# KiCad board Latest-Full-Backplane.kicad_pcb (continued)
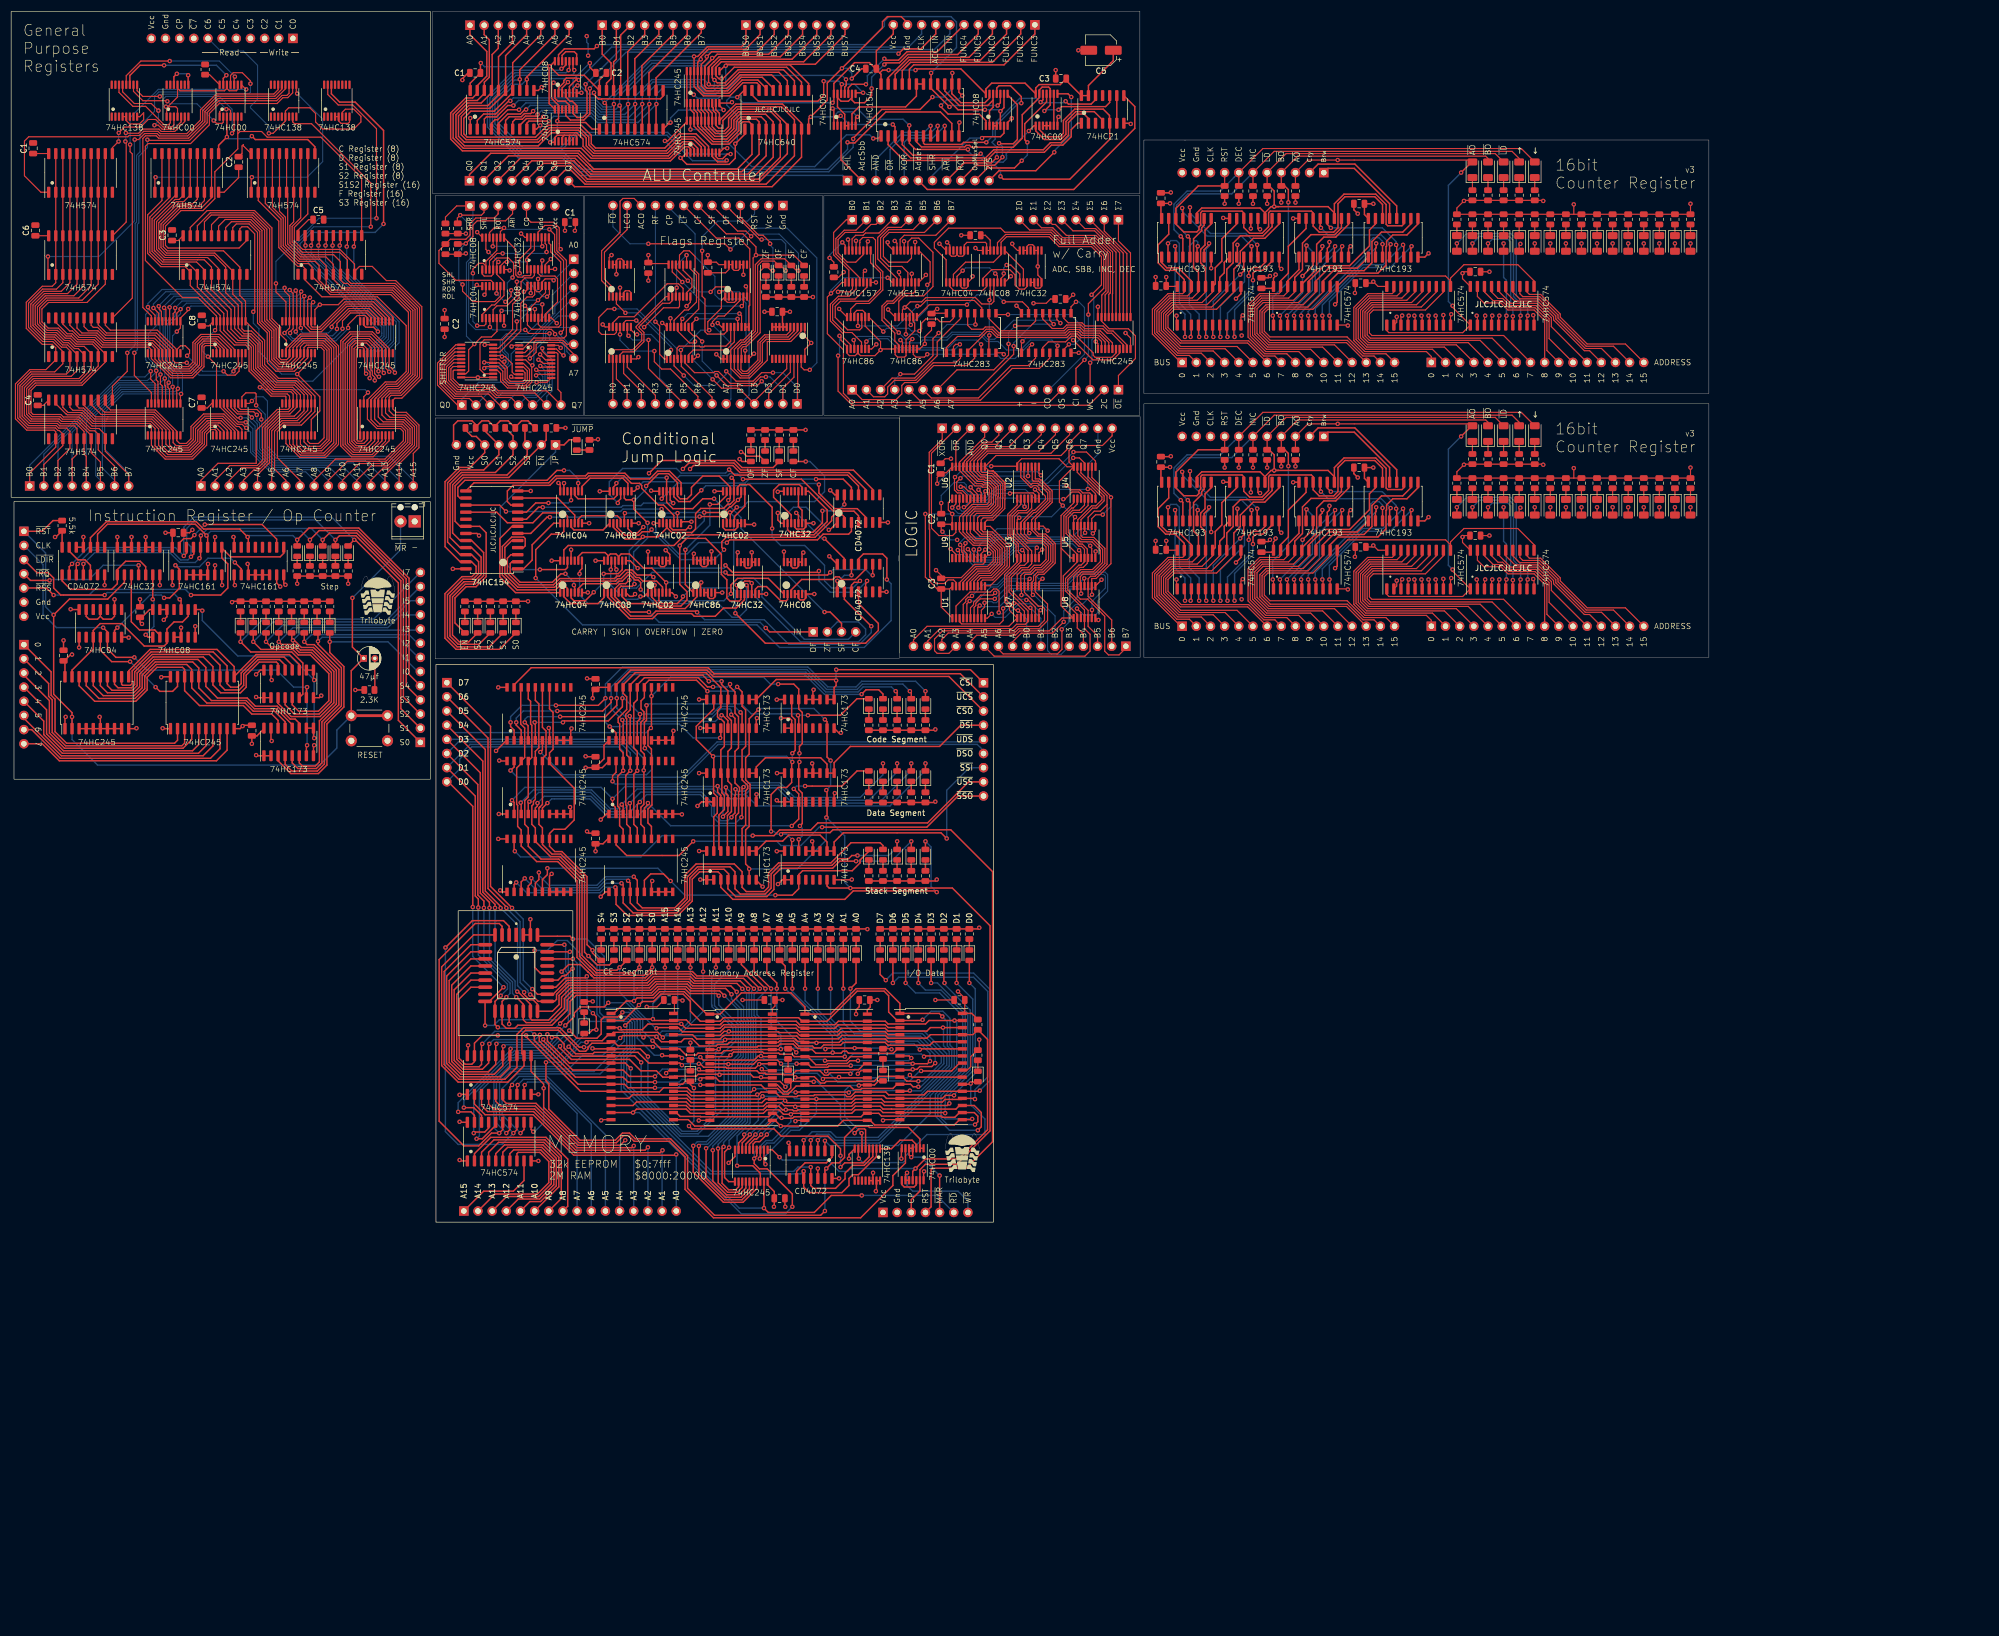
[diagram p0: board, top side]
## Routing (per net, layer and track width the routed paths; a pad name or vN(x,y) marks a point on that pad's centre or on a via; arc(x,y) is an arc through that point) (continued)
  In1.Cu w0.25: 67.15,-63.38 68.58,-61.95 68.58,-60.02
  Bottom w0.2: JC.12 194.95,137.71 193.14,135.89 v1(193.14,131.47) 193.05,131.38 v1(183.66,131.38) ; v1(166.84,128.94) 166.84,130.32 169.14,132.62 170.91,132.62 171.34,132.19 171.34,131.49 172.39,130.44 174.16,130.44 174.77,131.05 v1(174.77,131.08) ; v1(184.66,109.74) 184.24,109.74 183.11,110.87 180.74,110.87 178.31,108.44 176.51,108.44 v1(175.89,109.07)
  Bottom w0.25: v1(149.02,206.9) 149.92,206.9 150.8,206.03 v1(150.8,205.06) ; v1(118.28,197.18) 118.28,198.01 119.7,199.42 v1(127.8,199.42) ; v1(97.3,204.33) 99.12,202.52 v1(102.28,202.52) 101.86,202.52 100.8,203.57 100.8,204.87 103.78,207.85 v1(103.81,207.85) ; v1(151.81,198.2) 150.91,199.1 148.35,199.1 147.45,198.2 v1(143.43,198.2) ; v1(94.92,196.67) 94.92,195.4 v1(96.69,193.63) 97.96,194.9 v1(97.96,197.44)
  vias: v1(41.53,88.95)
VCC: length 708.9
  Top w0.2: U37.14 117.75,171.88 114.49,171.88 C1#10.1 v1(114.3,173.41) ; C4#2.1 244.09,121.08 v1(244.35,121.34) 245.2,120.48 U6#4.20 ; U1#5.14 84.51,176.61 v1(83.59,177.52) ; 142.37,160.52 142.37,158.8 v1(143.51,157.66) 142.37,156.52 142.37,154.8 ; U4#7.14 92.15,176.59 v1(91.47,177.27) ; R24#3.1 225.96,136.68 ; U2#4.13 160.2,175.85 v1(160.16,175.89) ; v1(120.42,39.75) 120.33,39.84 C6#2.1 118.98,37.6 U4.32 ; v1(148.32,166.82) 150.38,166.82 150.92,167.35 U1.3 ; U6#5.20 245.2,167.78 v1(244.35,168.64) 244.09,168.39 C4#3.1 ; U5#9.1 v1(83.72,151.48) U5#9.20 ; v1(194.56,157.91) 194.94,157.53 194.94,156.57 ; U6#6.1 168.11,129.03 168.11,127.69 v1(168.81,126.99) U9#5.20 168.47,125.14 C2#8.1 166.84,124.04 v1(167.06,123.82) ; U34.14 180.53,174.24 179.58,175.18 v1(179.58,175.44) ; v1(81.56,173.71) 81.43,173.57 R13#6.2 80.1,173.56 R10#3.2 ; v1(149.1,175.69) 149.62,175.17 U1.16 ; C1#9.1 260.6,123.11 v1(260.35,122.86) 260.35,121.88 261.75,120.48 ; U7#8.32 171.05,37.86 C5#3.1 171.05,40.16 v1(169.85,41.36) ; v1(107.7,173.41) 107.27,172.98 U35.14 ; v1(166.12,163.75) 165.93,163.75 C4#7.1 165.16,162.99 U5#6.16 ; v1(116.79,161.24) 116.89,161.24 U38.16 ; U1#3.20 168.35,113.54 C3.1 ; v1(163.99,126.99) 163.99,115.67 166.11,113.54 C3.1 ; U2#4.3 159.55,169.56 159.26,169.85 v1(159.26,170.36) ; U6#7.16 181.23,163.43 v1(180.34,164.32) ; v1(148.53,163.75) 148.53,163.71 U3#7.14 ; v1(138.35,39.84) C4#4.1 137.02,38.76 136.54,38.28 U5#3.32 ; C1.1 6.71,191.62 ; 224.54,167.62 224.79,167.37 ; U8#3.14 190.59,115.74 191.86,117.02 193.96,117.02 195.39,118.44 195.39,120.48 193.88,121.99 191.87,121.99 190.59,123.27 U5#8.14 190.59,125.97 190.84,126.22 v1(190.84,126.44) ; 36.19,161.42 35.48,160.71 C8#2.1 ; v1(175.81,135.54) 180.37,135.54 U2#7.14 180.46,136.11 181.25,136.89 187.96,136.89 189.4,135.45 U4#6.14 ; C1#3.1 166.11,133.54 v1(166.11,132.42) ; C2#6.1 186.44,165.53 185.67,164.77 v1(183.39,164.77) ; U6#6.20 167.74,134.38 166.95,134.38 ; v1(188.64,128.49) 188.04,129.09 188.04,132.88 U4#6.14 ; v1(126.75,161.21) 127.44,160.52 U1#6.16 ; U2#4.10 162.15,175.75 v1(162.16,175.75) ; v1(153.16,170.61) 152.87,170.32 U1.6 ; v1(91.98,166.83) 92.21,166.83 92.61,167.23 U3#3.14 ; 30.83,176.87 29.98,176.02 C3#4.1 ; U4#6.14 189.76,136.3 189.76,138.34 190.69,139.27 195.76,139.27 197.49,141 JC.13 ; U7.14 180.46,116.09 180.51,116.09 181.38,116.97 182.66,116.97 183.49,117.79 184.61,117.79 185.64,118.82 185.64,121.07 184.91,121.79 182.24,121.79 180.46,123.57 U3#9.14 180.46,125.93 v1(180.84,126.31) ; 194.94,162.3 v1(194.94,164.14) ; v1(83.53,168.06) 83.76,167.84 U2#3.14 ; C1#5.1 v1(170.43,176.96) ; C4#5.1 5.77,146.45 U7#7.20 ; U21.14 35.59,205.77 R1.2 ; C3#2.1 147.57,172.14 v1(146.81,172.9) ; v1(157.31,163.65) 157.31,163.57 U4#10.14 ; C2#10.1 v1(135.13,163.25) ; C3.1 166.84,110.3 U1#3.1 ; v1(89.77,157.01) 89.98,157.23 U6#9.1 ; C7#3.1 35.18,146 35.98,146.8 36.19,146.8 ; 224.54,120.32 224.79,120.07 ; v1(153.69,175.86) 153.52,175.69 U1.10 ; U2#4.16 157.23,175.26 v1(157.23,175.69) ; R28#2.2 222.76,184.32 ; 62.61,141.08 62.61,146.8 ; v1(161.55,170.06) 161.5,170.01 U2#4.6 ; v1(207.2,122.16) C9#2.1 207.29,120.48 U1#4.20 ; v1(101.12,177.77) 101.21,177.86 C1#6.2 ; v1(106.11,160.96) 106.55,160.52 U36.14 ; U33.14 173.41,174.24 v1(172.97,174.68) ; C2.1 41.42,191.67 41.42,192.98 41.66,193.22 41.66,193 43.05,191.6 ; v1(151.55,175.97) 151.57,175.96 151.57,174.24 ; v1(207.2,169.47) C9.1 207.29,167.78 U1#11.20 ; C2#5.2 77.76,158.73 v1(77.75,158.72) ; C6.1 6.72,176.88 ; 261.75,167.78 260.35,169.18 v1(260.35,170.16) 260.6,170.42 C1#2.1 ; 51.43,176.9 51.43,177.85 53.35,179.77 C5#2.1 ; R12#5.2 80.1,177.26 R11#2.2 81.55,177.27 v1(81.56,177.27) ; U32.14 v1(166.52,175.44) ; U39.14 126.93,171.7 126.49,172.14 C3#6.1 v1(124.97,173.41) ; U6#9.20 98.13,157.23 v1(98.58,156.78) ; R24.1 225.96,183.98 ; R28.2 222.76,137.01
  Top w0.25: v1(207.88,182.69) 207.87,182.68 C2#9.1 206.25,180.1 U2#5.16 ; 28.57,97.79 27,97.79 v1(26.92,97.71) ; v1(162.23,206.58) 162.44,206.8 170.37,206.8 U9#3.14 174.85,203.2 175.88,204.24 181.88,204.24 U7#2.14 183.79,203.38 184.39,203.98 188.2,203.98 C3#3.1 189.27,204.71 U10#4.14 U10#4.13 193.25,203.82 197.3,207.87 197.3,207.87 197.7,208.27 C5.1 ; v1(23.47,107.28) 23.11,107.63 C2#2.1 23.43,108.45 24.83,109.84 U5#7.14 ; U7#8.32 172.31,37.43 173.41,36.33 ; U5.16 v1(229.96,132.67) ; U14#2.20 87.63,82.69 v1(87.55,82.77) ; 156.04,204.08 156.04,205.84 155.81,206.07 ; v1(226.82,122.61) 226.82,122.35 226.44,121.97 226.44,120.48 226.09,120.13 C7.1 ; U7#6.16 242.76,180.68 242.76,182.36 ; U1#7.14 10.73,109.84 v1(10.67,109.91) ; R1#4.1 v1(227.84,182.83) ; U7#3.16 242.76,133.37 242.76,135.05 ; C3#5.1 v1(244.35,135.31) ; v1(226.82,169.91) 226.82,169.66 226.44,169.28 226.44,167.78 226.09,167.44 C7#2.1 ; v1(9.78,90.6) 9.65,90.47 U6#10.1 ; v1(96.59,207.28) 96.64,207.28 U1#2.14 ; v1(96.59,207.28) 98.22,205.65 102.81,205.65 U4#5.20 105.52,204.81 C2#4.1 ; v1(96.59,207.28) 96.5,207.18 96.5,200.58 U12.14 ; U4#3.14 v1(19.05,122.86) ; J5.11 158.24,213.06 155.2,210.02 155.2,206.68 ; 146.67,119.49 v1(146.76,119.4) U11#2.14 ; v1(155.37,39.84) C7#4.1 154.1,39.77 154.1,38.57 153.58,38.05 U6#8.32 ; U15#2.20 106.05,81.5 v1(103.05,81.5) ; U22.1 87.99,59.22 v1(87.71,59.5) ; U3#6.1 28.89,114.28 v1(28.96,114.22) ; U20.16 v1(123.4,66.55) ; v1(137.34,93.69) 137.37,93.72 138.73,93.72 ; U15#2.1 106.78,73.19 v1(105.77,72.18) ; U8#7.14 122.37,119.75 v1(122.46,119.85) ; 138.73,80.52 v1(137.37,80.52) ; U5#10.20 U5#10.1 U11#4.20 121.2,197.31 117.78,193.88 v1(117.27,193.88) ; v1(130.25,201.72) 131.46,202.93 U6.20 ; v1(10.92,101.78) 10.67,101.78 9.54,100.65 C4#6.1 9.65,100.4 U6#10.20 ; v1(207.88,135.39) 207.87,135.37 C2#7.1 206.25,132.8 U2#6.16 ; v1(43.94,98.22) 44.72,99 U9#2.16 ; U23.1 106.62,59.22 v1(105.76,58.35) ; v1(99.43,142.42) R15#3.2 ; v1(27.69,123.62) C1#4.1 28.89,123.49 U3#6.16 ; R24#3.1 v1(225.3,135.31) ; U2#11.14 R1#5.2 8.02,122.86 v1(7.87,122.86) ; U3#6.7 36.51,117.72 v1(36.58,117.78) ; U18.20 v1(87.38,95.9) ; v1(15.88,90.6) 16,90.47 U6#10.6 ; U4#4.14 v1(96.95,118.61) ; v1(40.13,114.22) 40,114.35 U10.1 ; 124.77,80.52 v1(123.4,80.52) ; v1(86.98,84.5) 88.87,86.4 U18.1 ; v1(27.18,88.57) 27.26,88.49 28.57,88.49 ; R27.2 v1(220.22,182.61) ; v1(137.34,66.51) 137.59,66.51 137.63,66.55 U21#2.16 ; v1(114.8,131.16) 114.91,131.06 U2#8.14 ; 218.57,179.98 217.52,179.98 v1(217.42,180.07) ; U1#8.14 98.49,132.23 v1(98.17,132.55) ; U5#5.16 v1(229.96,179.98) ; v1(104.32,93.94) 104.32,95.02 C2#3.1 105.19,95.9 U19.20 ; v1(136.83,2.76) 136.9,2.82 C8.1 136.9,5.48 135.69,6.69 U8#6.20 ; v1(157.4,206.58) 156.32,206.58 155.81,206.07 ; R25#3.1 v1(230.38,182.83) ; v1(93.14,54.32) U11.31 U11.32 ; U10.16 40,122.73 v1(39.88,122.86) ; U3#5.16 U3#5.15 155.22,5.65 v1(155.12,5.55) ; 124.77,93.72 v1(123.4,93.72) ; v1(163.76,9.1) 163.67,9.02 163.67,7.6 ; v1(43.18,85.78) C3#8.1 44.09,87.19 45.34,88.44 ; v1(137.52,130.97) 137.6,131.06 U12#4.14 ; U3#10.14 v1(105.59,131.06) ; R28#2.2 v1(222.76,182.61) ; U13#2.24 v1(79.23,117.15) ; v1(81.97,31.71) 81.97,29.97 U9#4.20 ; v1(48.26,113.97) 47.62,114.61 47.62,116.07 ; 218.57,132.67 217.52,132.67 v1(217.42,132.77) ; R27#3.2 v1(220.22,135.31) ; v1(146.92,131.24) 147.75,130.42 148.19,130.42 ; U7#4.14 130.24,120 v1(130.34,120.1) ; R1#6.1 v1(227.84,135.52) ; v1(36.58,122.86) 36.51,122.8 U3#6.10 ; U11#4.1 120.25,190.83 v1(120.06,190.83) 121.22,189.67 128.8,189.67 129.9,190.77 v1(129.9,193.37) 131.62,195.09 U6.1 ; U5#4.14 v1(126.16,131.06) ; U2#9.20 82.34,204.23 C1#8.1 84.18,207.78 v1(84.25,207.85) ; v1(104.83,66.51) C3#9.1 106.16,67.85 107.04,68.72 U23.20 ; U2#2.14 v1(148.51,7.84) ; R24.1 v1(225.3,182.61) ; U6#3.14 v1(104.83,118.61) ; C3#7.1 v1(244.35,182.61) ; U14#2.1 v1(87.48,73.19) ; v1(80.44,18) 80.54,17.9 U10#3.20 ; C1#7.1 106.35,83.09 106.35,85.51 U19.1 ; U9.14 v1(114.24,120.24) ; U14.14 v1(138.62,120.24) ; v1(147.35,200.72) 147.58,200.95 U8#4.14 147.58,204.2 151.3,207.92 153.96,207.92 155.81,206.07 ; U6#10.9 U6#10.3 ; R28.2 v1(222.76,135.31) ; R25#2.1 v1(230.38,135.52) ; U22.20 v1(87.38,68.72)
  Bottom w0.2: v1(167.06,123.82) 168.54,122.34 v1(169.69,122.34) ; v1(163.99,126.99) v1(168.81,126.99) 169.14,126.67 180.49,126.67 v1(180.84,126.31) 181.02,126.49 186.64,126.49 v1(188.64,128.49) 190.69,126.44 v1(190.84,126.44) ; v1(175.81,135.54) 169.24,135.54 v1(166.11,132.42) ; v1(146.81,172.9) 146.81,173.41 v1(149.1,175.69)
  Bottom w0.25: v1(96.59,207.28) 96.5,207.19 84.91,207.19 v1(84.25,207.85) ; v1(162.23,206.58) v1(157.4,206.58) ; v1(103.25,212.67) 103.25,211.57 103.5,211.32 v1(103.5,209.17) ; v1(129.9,193.37) 130.25,193.72 130.25,198.42 128.35,200.32 128.35,201.12 128.95,201.72 v1(130.25,201.72) 131.25,200.72 v1(147.35,200.72) ; v1(117.27,193.88) 120.06,191.09 v1(120.06,190.83)
(no net): length 2909.8
  Top w0.2: U11#3.3 37.49,141.76 36.73,142.52 35.69,142.52 34.67,141.5 34.67,139.49 32.42,137.24 27.78,137.24 25.81,139.22 25.81,142.32 24.92,143.21 14.62,143.21 12.65,145.18 10.21,145.18 9.98,145.41 9.96,145.41 9.27,146.1 U7#7.18 ; 18.16,162.14 21.74,165.71 21.74,191.55 21.34,191.95 v1(21.34,193.22) ; U6#2.13 15.62,160.9 17.09,159.44 26.09,159.44 29.06,156.46 29.06,154.51 29.46,154.1 v1(31.5,154.1) ; 53.97,176.9 53.97,175.3 v1(53.8,175.12) ; v1(43.43,163.25) 43.69,163.5 43.69,177.22 42.42,178.49 41.4,178.49 41.02,178.11 41.02,176.87 ; v1(38.1,152.58) 38.8,151.88 40.17,151.88 40.89,152.6 40.89,153.11 41.39,153.61 U9#6.9 ; 55.24,176.9 55.24,175.25 v1(55.12,175.12) ; v1(56.39,175.12) 56.51,175.25 56.51,176.9 ; v1(31.56,155.35) 32,155.8 32,156.39 31.24,157.15 30.39,157.15 29.71,156.46 ; U2#10.10 21.95,202.77 23.62,201.09 27.91,201.09 v1(28.01,200.99) ; U20#2.11 29.84,201.75 28.11,200.02 ; U11#3.2 36.84,141.84 36.57,142.12 35.85,142.12 35.07,141.33 35.07,139.33 32.56,136.82 27.63,136.82 25.16,139.3 25.16,142.4 24.8,142.76 14.5,142.76 12.49,144.78 10.05,144.78 9.9,144.92 9.83,144.92 8,146.75 ; 50.59,141.08 50.59,139.44 52.11,137.92 56.07,137.92 57.88,139.73 57.88,156.82 56.24,158.45 52.22,158.45 50.59,156.82 50.59,155.14 49.7,154.25 48.29,154.25 47.54,154.99 47.54,160.13 45.87,161.8 45.87,178.06 43.33,180.59 35.89,180.59 34.67,179.38 34.67,176.87 ; 14.35,146.61 16.12,144.84 25.55,144.84 28.41,141.98 28.41,139.41 28.98,138.84 31.75,138.84 33.07,140.16 33.07,142.25 34.94,144.12 37.83,144.12 40.09,141.86 40.09,141.08 ; U19#2.15 56.79,202.21 58.67,200.33 61.27,200.33 65.53,196.07 v1(65.53,180.01) ; U6#2.14 14.35,160.83 14.73,160.45 15.51,160.45 16.92,159.04 25.83,159.04 28.41,156.46 28.41,154.42 29.43,153.4 31.79,153.4 32.6,154.21 32.6,157.74 34.04,159.18 37.37,159.18 40.09,156.46 40.09,155.81 ; v1(42.16,203.12) 42.13,203.12 U21.8 ; U18#2.3 63.91,140.28 63.26,139.64 62.04,139.64 61.52,140.17 61.52,156.63 62.13,157.25 63.2,157.25 63.91,156.55 63.91,152.9 64.39,152.41 64.39,151.42 v1(64.31,151.34) ; 18.16,147.4 18.16,149.91 20.83,152.58 v1(20.83,155.88) ; U3.14 47.9,203.07 47.12,202.29 36.78,202.29 33.96,199.47 33.96,197.63 31.5,195.18 26.77,195.18 26.34,195.6 23.78,195.6 23.03,194.85 21.17,194.85 20.94,194.63 3.16,194.63 2.39,193.86 2.39,187.63 5.34,184.68 U4#2.1 ; U21.9 40.65,203.13 40.39,202.87 39.12,202.87 38.7,203.29 U21.12 ; U6#2.16 11.81,160.32 12.7,159.44 15.39,159.44 16.73,158.1 25.47,158.1 27.11,156.46 27.11,154.59 29.1,152.6 32.12,152.6 33.39,153.88 33.39,157.41 34.37,158.38 36.87,158.38 38.79,156.46 U9#6.5 ; U11#3.5 38.79,141.98 37.46,143.32 35.36,143.32 33.87,141.83 33.87,139.82 32.08,138.04 28.25,138.04 27.11,139.19 27.11,142.15 25.25,144.01 17.18,144.01 17.17,144.02 14.94,144.02 12.98,145.98 12.19,145.98 11.81,146.36 U7#7.16 ; v1(68.83,152.32) 68.83,152.46 67.81,153.49 67.81,156.65 64.81,159.65 60.74,159.65 59.12,158.02 59.12,139.18 61.05,137.25 64.93,137.25 67.81,140.12 67.81,141.08 ; 8,161.34 10.05,159.3 10.95,159.3 12.01,158.24 14.9,158.24 16.24,156.9 24.72,156.9 25.16,156.46 25.16,154.85 28.6,151.4 32.61,151.4 34.59,153.38 34.59,156.91 34.86,157.18 36.37,157.18 36.84,156.71 U9#6.2 ; U18#2.4 64.56,140.17 63.63,139.24 61.88,139.24 61.12,140.01 61.12,156.94 61.83,157.65 63.76,157.65 64.56,156.86 64.56,152.81 64.79,152.58 64.79,151.91 65.23,151.47 v1(65.23,150.94) ; U7#7.15 13.08,146.44 15.11,144.42 17.34,144.42 17.34,144.41 25.41,144.41 27.76,142.06 27.76,139.5 28.81,138.44 31.92,138.44 33.47,139.99 33.47,141.99 35.19,143.71 37.67,143.71 39.44,141.94 U11#3.6 ; v1(64.52,178.49) 64.52,186.33 53.88,196.97 50.84,196.97 50.5,197.3 U3.7 ; 57.66,176.78 v1(57.66,175.12) ; 53.84,141.08 53.84,143.93 55.37,145.47 55.37,148.01 v1(51.31,152.07) 53.84,154.6 53.84,155.81 ; 65.19,155.8 65.19,152.17 65.77,151.59 v1(65.98,151.59) ; v1(22.16,194.12) 22.86,194.12 23.94,195.2 26.18,195.2 26.6,194.78 31.67,194.78 34.36,197.47 34.36,199.3 36.95,201.89 47.28,201.89 48.55,203.16 U3.13 ; U18#2.7 66.51,140.09 64.46,138.04 61.38,138.04 59.92,139.51 59.92,157.55 61.22,158.85 64.34,158.85 66.51,156.68 U16.7 ; U6#2.15 13.08,160.58 13.82,159.84 15.56,159.84 16.9,158.5 25.72,158.5 27.76,156.46 27.76,154.51 29.26,153 31.95,153 32.99,154.05 32.99,157.58 34.2,158.78 37.17,158.78 39.44,156.51 U9#6.6 ; U18#2.5 65.21,140.06 63.99,138.84 61.71,138.84 60.72,139.84 60.72,157.11 61.66,158.05 64.01,158.05 65.21,156.85 U16.5 ; U20#2.5 30.5,197.3 29.17,195.97 27.1,195.97 26.38,196.7 v1(25.7,196.7) ; 40.66,195.18 41.05,195.57 44.92,195.57 45.94,194.55 55.56,194.55 62.87,187.25 62.87,176.9 ; v1(61.47,174.93) 61.59,175.06 61.59,176.9 ; U8#2.9 29.71,156.46 ; 29.71,156.46 26.23,159.94 17.78,159.94 16.89,160.83 U6#2.12 ; v1(40.13,205.41) 40,205.28 U21.10 ; U2#10.12 20.64,205.57 23.28,208.2 v1(28.45,208.2) ; U21.1 37.4,199.13 37.84,199.57 39.12,199.57 39.35,199.33 U21.4 ; U7#7.13 15.62,146.36 16.74,145.24 25.71,145.24 29.06,141.89 29.06,139.78 29.6,139.24 31.59,139.24 32.67,140.32 32.67,142.46 34.73,144.52 37.99,144.52 40.74,141.77 U11#3.8 ; 59.05,176.9 59.05,175.25 v1(58.93,175.12) ; v1(20.57,195.33) 20.65,195.25 22.86,195.25 23.61,196 26.51,196 26.94,195.58 29.34,195.58 31.14,197.38 U20#2.6 ; U21.6 40.65,192.45 36.54,188.34 36.54,183.53 34.4,181.39 30.47,181.39 27.68,178.6 27.68,175.15 28.15,174.68 40.89,174.68 42.29,176.07 ; U10#5.19 25.16,148.76 22.1,151.82 v1(22.1,155.88) ; U6#2.18 9.27,161.03 10.49,159.82 10.99,159.82 12.17,158.64 15.06,158.64 16.4,157.3 25.11,157.3 25.81,156.6 25.81,154.76 28.77,151.8 32.45,151.8 34.19,153.55 34.19,157.08 34.7,157.58 36.54,157.58 37.49,156.63 U9#6.3 ; 38.48,176.87 38.48,178.36 39.52,179.39 42.84,179.39 44.6,177.64 44.6,161.38 46.34,159.63 46.34,154.5 47.86,152.98 50.44,152.98 52.54,155.08 52.54,156.84 52.95,157.26 53.32,157.26 55.74,157.26 56.64,156.36 56.64,140.39 55.37,139.12 53.34,139.12 52.54,139.92 52.54,141.08 ; U3.12 49.2,203.22 47.47,201.49 37.12,201.49 34.76,199.14 34.76,197.3 31.84,194.38 26.44,194.38 26.01,194.8 24.11,194.8 23.62,194.32 23.62,164.01 25.16,162.47 U8#2.19 ; U1#9.1 25.78,187.25 v1(25.91,187.38) ; v1(19.3,195.33) 20.34,196.36 23.21,196.36 24.58,197.73 25.91,197.73 27.27,196.37 28.81,196.37 29.2,196.76 U20#2.3 ; U18#2.6 65.86,140.01 64.3,138.44 61.55,138.44 60.32,139.67 60.32,157.38 61.38,158.45 64.18,158.45 65.86,156.77 65.86,152.62 v1(65.89,152.59) ; v1(64.01,148.77) 63.26,148.02 U18#2.19 ; U3.9 51.15,202.52 v1(51.31,202.36) ; 39.75,176.87 39.75,178.36 40.39,178.99 42.67,178.99 44.2,177.47 44.2,161.21 45.94,159.47 45.94,154.33 45.97,154.3 45.97,154.1 47.5,152.58 50.8,152.58 53.19,154.97 53.19,156.74 53.3,156.86 55.58,156.86 56.13,156.3 56.13,140.64 55.12,139.62 53.59,139.62 53.19,140.03 53.19,141.08 ; v1(36.58,159.94) 36.84,160.21 36.84,162.47 33.53,165.79 30.73,165.79 24.08,172.44 24.08,192.92 24.57,193.4 32.19,193.4 35.56,196.77 35.56,198.81 37.34,200.58 47.7,200.58 48.75,201.64 49.62,201.64 50.5,202.51 U3.10 ; v1(46.23,195.25) 46.99,195.25 49.2,197.46 49.2,199.24 49.78,199.82 53.59,199.82 54.61,198.81 54.61,197.28 55.88,196.01 61.47,196.01 62.74,197.28 62.74,198.3 61.47,199.57 59.94,199.57 59.39,199.02 U19#2.6 ; U11#3.9 41.39,142.18 40.9,142.67 40.41,142.67 38.16,144.92 34.5,144.92 32.26,142.67 32.26,140.47 31.42,139.64 30.21,139.64 29.71,140.14 29.71,141.81 25.88,145.64 17.81,145.64 16.89,146.56 ; v1(20.49,193.79) 20.64,193.64 20.64,179.34 18.16,176.87 ; U2#10.14 19.34,202.57 21.84,200.08 24.13,200.08 27.43,196.77 28.19,196.77 28.55,197.12 28.55,198.23 ; 18.16,191.6 18.16,192.68 v1(19.27,193.79) ; v1(63.67,152.14) 63.39,152.42 63.39,155.67 U16.2 63.26,156.63 63.04,156.85 62.3,156.85 61.92,156.47 61.92,140.34 62.21,140.04 62.87,140.04 63.26,140.43 U18#2.2 ; U2#10.13 20,202.69 22.1,200.58 25.15,200.58 v1(26.42,199.31) ; 37.21,176.87 37.21,178.61 38.39,179.79 43,179.79 45,177.8 45,161.54 46.74,159.8 46.74,158.64 46.74,154.66 48.03,153.38 50.11,153.38 51.89,155.16 51.89,156.99 52.55,157.66 55.91,157.66 57.04,156.52 57.04,140.22 55.54,138.72 52.67,138.72 51.89,139.5 51.89,141.08 ; v1(66.84,152.27) 66.59,152.52 66.59,155.73 ; U7#7.17 10.54,146.1 11.06,145.58 12.82,145.58 14.78,143.61 17.01,143.61 25.08,143.61 26.46,142.23 26.46,139.27 28.09,137.64 32.25,137.64 34.27,139.66 34.27,141.66 35.52,142.92 37.09,142.92 38.14,141.87 U11#3.4 ; U21.11 39.35,205.62 39.84,206.11 41.46,206.11 42.93,204.65 v1(42.93,204.14) ; 49.37,155.9 49.37,158.11 48.34,159.15 48.34,160.46 46.77,162.03 46.77,178.28 43.66,181.39 35.16,181.39 32.13,178.36 32.13,176.87 ; U21.5 40,195.63 v1(39.62,195.25) ; v1(39.88,152.58) 39.88,152.66 40.74,153.52 U9#6.8 ; v1(35.29,155.2) 36.84,153.65 U11#3.19 ; U2#10.9 22.59,202.88 23.62,201.85 v1(26.67,201.85) ; U6#2.17 10.54,160.83 12.34,159.04 15.23,159.04 16.57,157.7 25.27,157.7 26.46,156.51 26.46,154.68 28.93,152.2 32.28,152.2 33.79,153.72 33.79,157.24 34.53,157.98 36.7,157.98 38.14,156.54 U9#6.4 ; 49.29,161.54 49.29,165.01 47.5,166.8 v1(47.5,168.33) ; 49.29,155.81 49.29,156.65 51.89,159.25 56.57,159.25 58.72,157.1 58.72,139.44 56.4,137.12 51.78,137.12 49.29,139.61 49.29,141.08 ; v1(43.18,187.38) 43.05,187.25 43.05,184.68 ; 38.7,203.3 38.27,202.87 30.28,202.87 29.84,203.3 ; 49.94,141.08 49.94,139.53 51.95,137.52 56.23,137.52 58.32,139.61 58.32,156.94 56.41,158.85 52.05,158.85 49.94,156.74 49.94,155.16 49.43,154.65 48.45,154.65 47.94,155.16 47.94,160.3 46.37,161.86 46.37,178.12 43.5,180.99 35.72,180.99 33.4,178.67 33.4,176.87 ; v1(52.8,175.12) 52.7,175.21 52.7,176.9 ; v1(60.2,174.93) 60.32,175.06 60.32,176.9 ; 35.94,176.87 35.94,178.87 37.27,180.19 43.17,180.19 45.47,177.89 45.47,161.64 47.14,159.96 47.14,154.83 48.12,153.85 50.01,153.85 51.24,155.07 51.24,156.91 52.38,158.05 56.07,158.05 57.46,156.67 57.46,140.07 55.7,138.32 52.28,138.32 51.24,139.36 51.24,141.08 ; U18#2.8 67.16,140.04 64.77,137.65 61.22,137.65 59.52,139.34 59.52,157.86 60.91,159.25 64.65,159.25 67.16,156.74 67.16,153.15 v1(67.82,152.49) ; v1(44.62,149.7) 45.04,149.7 46.63,148.11 49.17,148.11 49.29,148 49.29,146.8 ; U20#2.1 27.89,199.89 v1(27.77,200.02) 29.52,200.02 29.84,199.69 U20#2.4 ; U21.2 38.05,197.23 37.85,197.03 36.83,197.03 v1(36.32,197.54) ; 6.6,170.07 v1(6.6,173.15) ; v1(24.44,194.1) 24.57,193.98 32,193.98 35.16,197.14 35.16,198.97 37.28,201.09 47.64,201.09 48.58,202.04 49.46,202.04 49.85,202.43 U3.11
  Top w0.25: v1(38.61,205.66) 38.05,205.11 U21.13 ; v1(65.79,159.69) 65,160.47 63.63,160.47 63.26,160.85 U16.19 ; U1#9.11 37.21,193.09 v1(38.7,194.58) U21.3 ; U13#3.11 54.48,192.84 53.19,194.13 43.8,194.13 v1(43.18,194.74) ; U20#2.12 29.2,205.4 v1(29.72,205.92) ; v1(31.75,205.66) 31.75,204 ; v1(27.43,207.44) 23.11,207.44 21.3,205.62 U2#10.11 ; 57.45,203.95 57.45,202.32 58.93,200.84 61.72,200.84 66.8,195.76 v1(66.8,178.99)
  Bottom w0.2: v1(65.23,150.94) 65.23,151.47 64.79,151.91 64.79,156.16 67.28,158.65 67.28,160.87 55.12,173.04 v1(55.12,175.12) ; v1(66.84,152.27) 66.84,156.23 68.58,157.97 68.58,161.35 58.93,171.01 v1(58.93,175.12) ; v1(39.62,195.25) 39.62,199.57 37.19,202 36.74,202 36.49,202.25 27.07,202.25 v1(26.67,201.85) ; v1(40.13,205.41) 37.34,208.2 v1(28.45,208.2) ; v1(19.3,195.33) 19.27,195.3 v1(19.27,193.79) ; v1(31.56,155.35) 34.34,152.58 v1(38.1,152.58) ; v1(20.83,155.88) 22.24,157.3 22.24,179.08 22.5,179.34 22.5,191.29 23.11,191.91 23.11,196.58 25.72,199.19 25.72,201.89 26.48,202.65 36.65,202.65 36.91,202.4 42.71,202.4 42.93,202.62 v1(42.93,204.14) ; v1(61.47,174.93) 61.47,169.6 69.6,161.47 69.6,157.69 68.83,156.93 v1(68.83,152.32) ; v1(60.2,174.93) 60.2,170.3 69.06,161.43 69.06,157.89 67.82,156.64 v1(67.82,152.49) ; v1(46.23,195.25) 46.23,196.52 42.93,199.82 42.93,200.08 44.2,201.35 44.2,207.44 41.66,209.98 37.59,209.98 J3#3.7 ; v1(47.5,168.33) 47.5,172.29 55.22,180.01 v1(65.53,180.01) ; v1(42.16,203.12) 26.39,203.12 21.34,198.07 v1(21.34,193.22) ; v1(36.58,159.94) 34.29,157.66 34.29,156.2 v1(35.29,155.2) ; v1(6.6,173.15) 15.75,173.15 22.1,179.5 22.1,194.06 v1(22.16,194.12) ; v1(51.31,152.07) 48.51,152.07 44.45,156.13 44.45,160.2 43.43,161.21 v1(43.43,163.25) ; v1(39.88,152.58) 39.18,151.88 33.72,151.88 v1(31.5,154.1) ; v1(25.91,187.38) 53.09,187.38 55.88,190.17 55.88,197.79 v1(51.31,202.36) ; v1(20.49,193.79) 20.57,193.87 v1(20.57,195.33) ; v1(63.67,152.14) 63.67,156.17 66.47,158.97 66.47,159.39 66.49,159.4 66.49,160.52 52.8,174.21 v1(52.8,175.12) ; v1(53.8,175.12) 53.8,173.79 66.89,160.71 66.89,158.81 64.39,156.32 64.39,151.42 v1(64.31,151.34) ; v1(24.44,194.1) 24.44,192.67 22.9,191.13 22.9,179.17 22.64,178.92 22.64,156.43 v1(22.1,155.88) ; v1(57.66,175.12) 57.66,171.63 68.08,161.2 68.08,158.18 65.89,155.99 v1(65.89,152.59) ; v1(28.01,200.99) 28.45,200.55 33.31,200.55 v1(36.32,197.54) ; v1(64.01,148.77) 63.5,149.28 45.04,149.28 v1(44.62,149.7) 45.72,150.8 54.1,150.8 62.48,159.18 62.48,162.9 51.39,173.99 51.39,175.61 54.26,178.49 v1(64.52,178.49) ; v1(25.7,196.7) 26.42,197.42 v1(26.42,199.31) ; v1(27.77,200.02) 27.24,200.55 27.24,201.35 27.74,201.85 36.32,201.85 v1(38.61,199.57) ; v1(65.98,151.59) 65.77,151.59 65.19,152.17 65.19,155.85 67.68,158.34 67.68,161.04 56.39,172.33 v1(56.39,175.12)
  Bottom w0.25: v1(66.8,178.99) 65.28,177.47 53.85,177.47 51.82,175.44 51.82,174.17 65.79,160.2 v1(65.79,159.69) ; v1(27.43,207.44) 36.83,207.44 v1(38.61,205.66) ; v1(29.72,205.92) 31.5,205.92 v1(31.75,205.66) ; v1(38.7,194.58) 39.01,194.27 42.71,194.27 v1(43.18,194.74)
